# KiCad board CPU.kicad_pcb (continued)
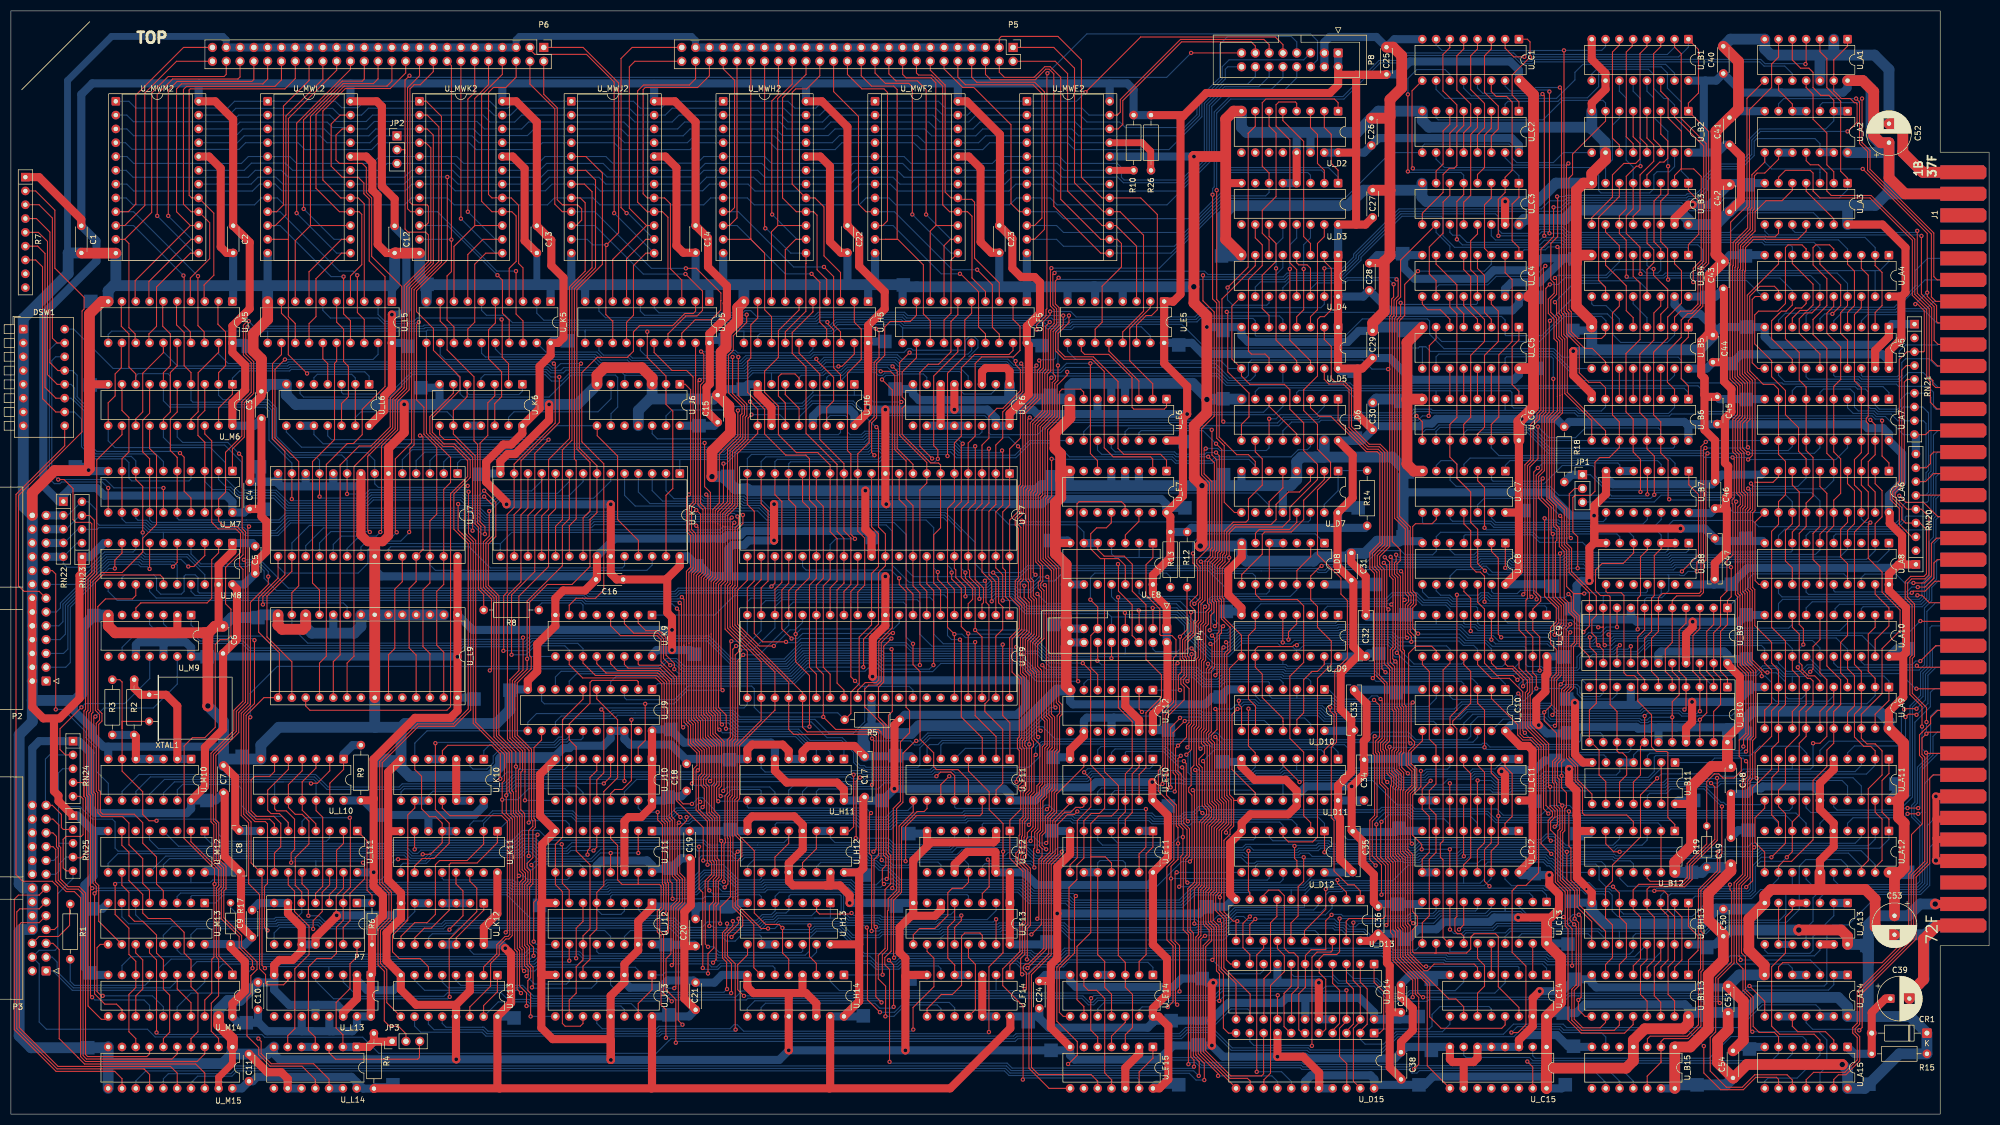
[diagram p0: board, top side]
## Routing (per net, layer and track width the routed paths; a pad name or vN(x,y) marks a point on that pad's centre or on a via; arc(x,y) is an arc through that point) (continued)
Net-(P4-Pin_4): length 33.4
  Top w0.2: v1(215.12,78.02) 214.82,78.32 214.82,80.78 215.42,81.37 215.42,83.44 215.13,83.73 215.13,87.81 v1(215.11,87.84) 216.41,89.14 216.41,96.57
  Bottom w0.2: v1(215.12,78.02) 215.12,78.02 U_E12.1 ; v1(215.11,87.84) 215.11,85.57 214.63,85.09 210.62,85.09 210.14,85.57 P4.4
Net-(P4-Pin_11): length 39.6
  Top w0.2: v1(198.63,94.66) 199.98,93.31 P4.11 198.71,88.06 198.71,82.15 199.98,80.87 U_E12.5
  Bottom w0.2: R13.2 213.34,98.88 212.67,99.55 199.45,99.55 198.63,98.73 v1(198.63,94.66)
Net-(R2-Pad1): length 13.7
  Top w1.5: R2.1 23.01,69.45 U_M10.5
  Bottom w1.5: U_M10.3 U_M10.4 U_M10.5 ; R3.2 R2.1
Net-(R2-Pad2): length 23.1
  Top w1.5: R2.2 22.69,78.41 23.93,77.16 XTAL1.2 28.55,77.16 30.62,75.09 U_M10.2
  Bottom w1.5: U_M10.1 U_M10.2
Net-(R8-Pad2): length 98.3
  Top w0.2: U_L6.2 U_L6.13 ; R8.2 87,95.6 86.02,96.58 86.02,107.99 85.42,108.59 85.42,121.14 81.42,125.14 81.42,129.47 83.95,132.01 U_K6.5
  Bottom w0.2: 81.42,126.67 81.42,128.08 80.27,129.23 64.43,129.23 63.38,128.18 U_L6.13 ; U_L6.2 63.38,135.47 62.72,136.13 56.38,136.13 55.76,135.51 55.76,134.28 ; U_K6.1 94.11,133.03 93.48,132.39 84.32,132.39 83.95,132.76 U_K6.5
Net-(U_A1A-~{S}): length 195.8
  Top w0.2: v1(330.2,193.21) 330.33,193.34 U_A1.4 ; v1(221.12,169.18) 221.12,150.01 221.87,149.25 221.87,124.38 222.96,123.3 222.96,123.29 223.26,122.99 223.26,112.58 225.14,110.7 U_D7.9
  Bottom w0.2: v1(221.12,169.18) 221.12,170.31 221.42,170.61 221.42,184.38 224.27,187.23 245.09,187.23 251.74,193.88 255.4,193.88 256.77,195.25 276.51,195.25 278.03,193.73 279.84,193.73 280.18,194.07 321.99,194.07 322.77,193.29 330.12,193.29 v1(330.2,193.21)
Net-(U_A1B-C): length 21
  Top w0.2: 335.42,171.3 335.42,173.4 334.14,174.68 334.14,180.52 331.6,183.06 331.6,187.63 330.33,188.9 U_A1.11
Net-(U_A1B-Q): length 9
  Top w0.2: 325.25,189.91 325.25,188.39 327.8,185.85 327.8,184.55
  Bottom w1.5: 327.8,184.55 U_A2.4
Net-(U_A1B-~{S}): length 312.7
  Top w0.2: U_D7.7 228.97,120.08 227.71,121.34 225.56,121.34 223.41,123.48 223.41,123.48 222.33,124.57 222.33,149.44 221.87,149.89 v1(221.87,170) ; v1(190.5,49.88) 190.8,50.18 190.8,54.55 191.96,55.71 191.96,59.09 192.51,59.63 192.51,66.42 192.96,66.87 192.96,73.12 193.42,73.58 193.42,75.3 192.81,75.91 192.81,100.58 190.84,102.55 190.84,113.05 191.5,113.71 v1(191.5,120.57)
  Bottom w0.2: U_D7.7 228.97,119.32 227.8,120.49 221.79,120.49 221.06,119.76 214.28,119.76 213.55,120.49 191.59,120.49 v1(191.5,120.57) ; v1(221.87,170) 221.87,184.19 224.45,186.78 245.28,186.78 251.93,193.42 255.58,193.42 256.96,194.8 276.32,194.8 277.84,193.28 280.03,193.28 280.37,193.62 321.8,193.62 322.58,192.84 326.39,192.84 327.79,191.44 U_A1.10 ; v1(190.5,49.88) 189.34,49.88 188.2,51.02 187.32,51.02 186.72,50.43 176.43,50.43 176.2,50.65 U_F12.4
Net-(U_A2-Pad12): length 173.2
  Top w0.2: v1(266.07,95.56) 266.07,74.35 264.8,73.08 U_C10.10 ; v1(278.28,95.64) 278.58,95.94 278.58,119.48 279.63,120.53 279.63,126.9 280.81,128.08 280.81,128.83 281.52,129.55 281.52,159.14 283.86,161.47 v1(283.86,166.87)
  Bottom w0.2: v1(266.07,95.56) 266.14,95.48 270,95.48 270.46,95.94 271.84,95.94 272.44,95.34 277.98,95.34 v1(278.28,95.64) ; 332.88,177 332.88,178.58 331.96,179.5 321.25,179.5 320.77,179.02 320.77,176.38 318.3,173.91 314.31,173.91 312.2,171.8 312.2,170.06 310.58,168.43 308.82,168.43 308.53,168.15 286.5,168.15 285.22,166.87 v1(283.86,166.87)
  Bottom w1.5: 335.42,177 332.88,177
Net-(U_A3-Pad13): length 9.7
  Top w0.2: 335.42,163.68 335.42,164.74 330.33,169.82 U_A3.4
Net-(U_A10-I2a): length 91
  Top w0.2: U_C8.12 269.9,94.19 271.15,92.94 271.15,82.98 273.43,80.7 276.41,80.7 v1(277.21,79.9) ; v1(331.09,81.4) 331.6,81.9 331.6,86.03 332.87,87.3 332.87,91.61
  Bottom w0.2: v1(331.09,81.4) 330.25,80.55 327.79,80.55 ; 327.79,80.55 327.79,80.54 U_A9.8 ; 327.79,80.55 326.17,80.55 324.7,82.02 322.51,82.02 321.24,80.75 282.15,80.75 281.81,80.4 277.71,80.4 v1(277.21,79.9)
Net-(U_A13-Pad1): length 22.7
  Bottom w0.2: 322.71,30.65 322.71,30.15 323.28,29.58 331.03,29.58 331.6,30.15 331.6,32.69 335.42,36.5 335.42,38.85
  Bottom w1.5: U_A13.1 335.42,38.85
Net-(U_A13-Pad4): length 53
  Top w0.2: 327.8,38.85 327.8,37.52 326.52,36.25 326.52,29.64 323.98,27.1 323.98,16.18 325.45,14.71 331.8,14.71 332.88,13.63 U_A15.3
  Top w1.27: 327.8,38.85 U_A13.4
  Bottom w0.2: U_A15.8 322.71,6.01 322.71,6.02 323.32,6.63 328.66,6.63 332.88,10.84 U_A15.3
Net-(U_A13-Pad10): length 10.2
  Top w0.2: U_A13.6 U_A13.9
  Bottom w1.27: 327.8,31.23 U_A13.9
Net-(U_A14-Pad10): length 14.3
  Top w0.2: 327.8,17.99 327.8,16.19 327.79,16.18 328.81,15.16 333.89,15.16 335.42,13.63 335.42,12.36
  Bottom w1.5: U_A14.9 327.8,17.99
Net-(U_A15-Pad9): length 133.5
  Top w0.2: v1(311.51,12.53) 311.51,7.57 314.58,4.5 318.77,4.5 321.06,6.78 324.87,6.78 325.25,6.4 U_A15.9 ; v1(276.1,15.01) 277.31,15.01 278.77,16.47 278.77,27.23 276.23,29.77 276.23,41.07 277.24,42.09 278.77,42.09 281.1,44.42 281.1,67.41 279.66,68.85 278.19,68.85 277.25,69.78 277.25,71.65 272.42,76.48 U_C10.2
  Bottom w0.2: v1(276.1,15.01) 277.2,16.11 285.11,16.11 285.75,15.46 308.57,15.46 v1(311.51,12.53)
Net-(U_A15-Pad10): length 77.3
  Top w0.2: 327.8,4.74 327.8,6.27 326.83,7.24 320.87,7.24 318.58,4.95 315.66,4.95 312.68,7.93 312.68,14.12 313.68,15.12 313.68,25.06 316.62,28 316.62,40.97 316.31,41.27 v1(316.31,42.23)
  Bottom w0.2: 296.04,44.44 296.04,43.36 297.47,41.93 316.01,41.93 v1(316.31,42.23)
Net-(U_A15-Pad12): length 89.4
  Top w0.2: v1(319.27,64.95) 319.57,64.65 319.57,62.09 319.1,61.62 319.1,43.95 317.52,42.37 317.52,41.35 317.53,41.34 317.53,27.92 318.7,26.75 318.7,22.78 320.13,21.36 320.13,15.46 v1(320.43,15.16)
  Bottom w0.2: v1(320.43,15.16) 332.62,15.16 334.14,13.64 334.14,8.81 332.88,7.55 U_A15.12 ; v1(319.27,64.95) 318.71,65.51 313.49,65.51 312.68,64.69 U_B11.1
Net-(U_B1-CP): length 186.5
  Top w0.2: U_C1.2 274.94,196.13 276.53,194.54 v1(278.48,194.54) ; U_B1.2 306.12,196.35 307.34,195.12 307.34,183.19 311.93,178.6 311.93,156.72 310.87,155.66 310.87,148.86 309.31,147.3 308.54,147.3 307.34,146.1 307.34,142.93 304.8,140.39 304.8,134.67 306.12,133.35 U_B6.2
  Bottom w0.2: U_B6.2 306.12,130.04 305,128.93 288.46,128.93 287.91,129.47 261.59,129.47 261.35,129.71 258.16,129.71 257.49,129.05 248.7,129.05 247.4,130.35 247.4,131.62 245.84,133.18 237.02,133.18 236.59,132.75 U_D6.4 ; U_B1.2 306.12,196.31 304.79,194.98 280.1,194.98 279.84,195.24 279.22,195.24 278.52,194.54 v1(278.48,194.54) ; U_C6.2 274.94,129.48
Net-(U_B1-P0): length 22
  Top w0.2: U_B1.3 303.58,196.44 302.26,195.12 302.26,179.38 303.58,178.06 303.58,176.93
Net-(U_B1-P1): length 21.9
  Top w0.2: U_B1.4 301.04,196.44 299.77,195.17 299.77,179.58 301.04,178.31 301.04,176.93
Net-(U_B1-P2): length 21.7
  Top w0.2: 298.33,197.62 298.33,196.52 297.23,195.42 297.23,179.84 298.5,178.57 298.5,176.93
Net-(U_B1-P3): length 21.9
  Top w0.2: U_B1.6 295.96,196.69 294.69,195.42 294.69,179.58 295.96,178.31 295.96,176.93
Net-(U_B1-~{CEP}): length 175.4
  Top w0.2: v1(285.77,195.73) 285.77,147.66 286.21,147.23 286.21,143.61 288.58,141.24 288.58,136.4 290.32,134.67 292.41,134.67 293.42,133.66 U_B6.7
  Bottom w0.2: U_C6.7 262.24,133.02 ; U_B6.7 293.42,130.15 292.65,129.38 288.65,129.38 288.1,129.93 276.53,129.93 276.2,130.26 276.2,132.8 275.89,133.1 246.56,133.1 246.03,133.64 229.65,133.64 228.97,132.95 U_D6.7 ; U_B1.7 293.42,196.44 292.71,195.73 v1(285.77,195.73) 285.75,195.71 263.32,195.71 262.24,196.79 U_C1.7
Net-(U_B1-~{TC}): length 51.6
  Bottom w0.2: U_B1.15 306.12,191.52 304.48,193.16 289.25,193.16 287.79,191.69 287.79,190.3 284.39,186.9 263.87,186.9 262.24,188.54 U_C1.10
Net-(U_B2-CP): length 206.5
  Top w0.2: U_B2.2 306.12,183.49 311.48,178.13 311.48,156.91 310.42,155.85 310.42,149.05 309.12,147.75 307.22,147.75 306.12,146.66 U_B5.2 ; U_D6.9 226.43,126.91 227.81,128.3 227.81,132.67 223.9,136.58 223.9,147.43 v1(223.72,147.62)
  Bottom w0.2: v1(223.72,147.62) 223.81,147.53 250.79,147.53 251.55,146.78 274.28,146.78 274.94,146.12 U_C5.2 274.94,143.4 275.09,143.25 281.7,143.25 285.7,147.24 293.75,147.24 294.77,146.23 294.77,143.43 296.21,141.99 304.76,141.99 306.12,143.35 U_B5.2 ; U_B2.2 306.12,185.68 304.93,186.87 304.17,186.87 302.31,188.73 302.31,191.27 301.32,192.26 292.79,192.26 292.15,191.61 292.15,189.07 290.07,187 285.31,187 284.68,186.36 275.46,186.36 274.94,185.83 U_C2.2
Net-(U_B2-P0): length 15.8
  Top w0.2: U_B3.4 301.04,172.82 303.41,175.18 304.17,175.18 304.88,175.9 304.88,179.04 303.58,180.34 U_B2.3
Net-(U_B2-P1): length 22.9
  Top w0.2: 299.77,166.42 299.77,172.82 302.29,175.34 302.29,178.33 301.04,179.58 U_B2.4 ; 299.72,166.42 298.5,165.2 U_B3.12
Net-(U_B2-P2): length 26.3
  Top w0.2: U_B2.5 298.5,179.84 299.75,178.59 299.75,175.72 298.96,174.93 296.8,174.93 294.69,172.82 294.69,168.71 ; 294.64,168.71 290.88,164.94 U_B3.9
Net-(U_B2-P3): length 14.3
  Bottom w0.2: U_B3.7 293.42,174.34 294.69,175.61 294.69,181.96 295.96,183.23 U_B2.6
Net-(U_B2-~{CEP}): length 171.1
  Top w0.2: U_B2.7 293.42,182.72 287.35,176.66 287.35,172.89 286.68,172.21 286.68,148.04 287.12,147.6 287.12,143.99 288.38,142.72 292.69,142.72 293.42,143.46 U_B5.7 ; v1(260.87,128.48) 260.99,128.6 260.99,141.4 262.24,142.65 U_C5.7
  Bottom w0.2: U_D6.12 234.05,125.74 235.65,127.34 240.72,127.34 241.07,127.69 258.93,127.69 259.73,128.48 v1(260.87,128.48) ; U_B2.7 293.42,186.06 292.94,186.54 285.5,186.54 281.91,182.95 262.62,182.95 262.24,183.33 U_C2.7 ; U_C5.7 262.24,143.2 263.27,142.16 281.26,142.16 285.88,146.79 292.68,146.79 293.5,145.97 293.5,144.89
Net-(U_B2-~{TC}): length 55.4
  Bottom w0.2: 262.24,176.93 262.24,175.71 263.77,174.18 290.7,174.18 292.15,172.72 292.15,169.93 292.57,169.51 301.54,169.51 302.31,170.28 302.31,172.82 302.9,173.41 305.18,173.41 306.12,174.34 306.12,176.93
Net-(U_B4-Za): length 15.7
  Top w0.2: U_B5.3 303.58,147.16 304.86,148.44 304.86,151.76 302.26,154.36 v1(302.26,155.51)
  Bottom w0.2: U_B4.4 301.04,156.21 301.74,155.51 v1(302.26,155.51)
Net-(U_B4-Zb): length 15.3
  Top w0.2: U_B5.5 298.5,146.56 297.23,147.83 297.23,152.4 293.42,156.21 U_B4.7
Net-(U_B4-Zc): length 9.1
  Bottom w0.2: U_B4.9 290.88,149.1 291.21,148.77 293.5,148.77 295.96,146.31 U_B5.6
Net-(U_B4-Zd): length 6.7
  Bottom w0.2: U_B4.12 298.5,149.1 301.04,146.56 U_B5.4
Net-(U_B5-Q0): length 5.6
  Top w0.2: U_B6.3 U_B5.14
Net-(U_B5-Q1): length 5.6
  Top w0.2: U_B6.4 U_B5.13
Net-(U_B5-Q2): length 5.6
  Top w0.2: U_B6.5 U_B5.12
Net-(U_B5-Q3): length 5.6
  Top w0.2: U_B6.6 U_B5.11
Net-(U_B5-~{CET}): length 55
  Top w0.2: v1(286.58,174.93) 286.23,174.58 286.23,147.85 286.66,147.41 286.66,143.8 289.57,140.89 290.96,140.89 293.42,138.43 U_B5.10
  Bottom w0.2: 274.94,176.93 274.94,175.97 276.27,174.63 286.28,174.63 v1(286.58,174.93)
Net-(U_B5-~{TC}): length 49.9
  Bottom w0.2: U_C5.10 262.24,139.35 262.74,139.85 283.62,139.85 288.47,135 305.18,135 306.12,135.93 U_B5.15
Net-(U_B6-~{CET}): length 80.2
  Top w0.2: v1(285.02,188.9) 285.32,188.6 285.32,147.48 285.75,147.04 285.75,143.43 286.37,142.81 286.37,132.78 293.42,125.73 U_B6.10
  Bottom w0.2: U_C1.15 274.94,189.17 275.85,188.26 279.91,188.26 280.55,188.9 v1(285.02,188.9)
Net-(U_B6-~{TC}): length 48.7
  Bottom w0.2: U_C6.10 262.24,125.63 262.96,126.36 279.4,126.36 283.23,122.53 305.87,122.53 306.12,122.78 U_B6.15
Net-(U_B7-Pad1): length 65.9
  Top w0.2: U_B7.1 308.75,115.79 310.52,114.02 310.52,102.91 v1(307.47,99.86)
  Bottom w0.2: v1(307.47,99.86) 307.3,99.69 272.6,99.69 271.47,100.82 270.95,100.82 270.33,100.2 266.01,100.2 264.82,99 U_C8.10
Net-(U_B7-Pad2): length 42.4
  Bottom w0.2: U_B7.2 306.2,119.76 305.25,120.71 268.49,120.71 267.36,119.58 U_C7.4
Net-(U_B7-Pad3): length 31.6
  Bottom w0.2: U_C7.1 274.98,119.37 275.86,120.26 302.96,120.26 303.67,119.55 U_B7.3
Net-(U_B7-Pad5): length 67.7
  Top w0.2: v1(280.74,94.73) 280.74,95.3 280.21,95.83 280.21,118.14 v1(280.96,118.9)
  Bottom w0.2: U_C8.8 259.74,96.12 260.83,95.02 264.59,95.02 265.27,94.35 270.15,94.35 270.84,95.03 271.46,95.03 272.06,94.43 280.44,94.43 v1(280.74,94.73) ; v1(280.96,118.9) 281.87,119.8 295.69,119.8 296.05,119.45 U_B7.6
  Bottom w1.5: U_B7.5 U_B7.6
Net-(U_B7-Pad11): length 31.8
  Bottom w0.2: U_B7.11 301.12,109.4 300.29,108.57 284.89,108.57 284.59,108.87 273.25,108.87 272.44,109.68 U_C7.13
Net-(U_B7-Pad12): length 42.4
  Bottom w0.2: U_B7.12 303.67,109.4 302.38,108.12 284.7,108.12 284.4,108.42 273.06,108.42 272.39,109.09 265.26,109.09 264.82,109.53 U_C7.10
Net-(U_B11-Pad8): length 58.2
  Top w0.2: v1(286.59,95.68) 287.1,95.18 287.1,92.55 288.13,91.52 288.13,86.63 287.53,86.03 287.53,78.39 286.69,77.54 286.69,65.73 288.29,64.13 288.29,61.52 290.92,58.89 290.92,57.11
  Bottom w0.2: v1(286.59,95.68) 285.98,95.07 281.51,95.07 280.19,96.39 277.77,96.39 277.17,95.79 272.82,95.79 272.44,96.17 U_C8.13
Net-(U_B12-Pad5): length 136.8
  Top w0.2: v1(219.25,55.4) 218.68,55.97 218.68,63.66 218.14,64.2 218.14,70.83 218.6,71.3 218.6,83.54 218.93,83.87 218.93,90.03 219.42,90.53 219.42,93.08 v1(219.72,93.38)
  Bottom w0.2: U_B12.5 296,50.68 295.25,49.93 295.23,49.93 294.78,49.48 286.12,49.48 284.07,51.52 282.49,51.52 281.48,50.52 245.96,50.52 243.97,52.5 243.97,53.9 242.77,55.1 219.28,55.1 219.25,55.13 v1(219.25,55.4) ; v1(219.72,93.38) 219.65,93.38 217.76,95.27 208.16,95.27 207.6,95.82 U_E8.13
Net-(U_B12-Pad13): length 119.8
  Top w0.2: U_B12.13 U_B12.2 ; v1(282.2,109.63) 282.2,95.29 284.36,93.14 284.36,90.6 283.3,89.55 283.3,86.58 284.36,85.52 284.36,81.11 283.5,80.26 283.5,75.3 v1(282.14,73.94) 282.14,72.36 284.41,70.09 284.41,65.64 283.67,64.9 283.67,61.04 283.97,60.74 283.97,56.58 284.56,55.99 284.56,53.38 v1(284.06,52.89)
  Bottom w0.2: U_B7.8 293.5,109.53 293,109.03 285.08,109.03 284.78,109.33 282.5,109.33 v1(282.2,109.63) ; U_C10.11 267.34,71.94 268.99,73.58 281.78,73.58 v1(282.14,73.94) ; v1(284.06,52.89) 284.49,52.89 285.19,53.59 303.08,53.59 303.62,53.05 U_B12.2
Net-(U_B15A-D): length 77.6
  Top w0.2: v1(314.83,56.61) 314.83,47.96 314.45,47.58 314.45,44.62 310.97,41.14 310.97,33.63 311.35,33.25 311.35,26.56 310.97,26.18 310.97,16.25 308.62,13.89 304.17,13.89 303.62,13.35 U_B15.2 303.62,9.62 303.66,9.58 301.08,7 U_B15.12
  Bottom w0.2: v1(314.83,56.61) 314.78,56.61 311.54,59.85 305.44,59.85 304.62,59.03 301.56,59.03 301.12,58.6 U_B11.12
Net-(U_B15B-Q): length 156.2
  Top w0.2: v1(216.66,9.18) 216.66,32.97 215.72,33.91 215.72,47.01 216.41,47.69 216.41,52.33 215.35,53.39 215.35,62.58 214.75,63.18 214.75,65.43 v1(215.26,65.94)
  Bottom w0.2: U_E10.5 199.98,67.06 200.57,67.65 212.45,67.65 214.17,65.94 v1(215.26,65.94) ; v1(216.66,9.18) 216.97,9.48 218,9.48 218.94,8.54 237.24,8.54 237.55,8.24 257.12,8.24 257.81,7.54 257.87,7.54 257.88,7.55 258.71,7.55 259.17,8.01 291.25,8.01 293.46,5.81 U_B15.9
Net-(U_C1-P0): length 23
  Top w0.2: 272.4,176.93 272.4,179.99 273.69,181.28 273.69,185.47 271.15,188.01 271.15,194.74 272.42,196.01 272.4,196.03 U_C1.3
Net-(U_C1-P1): length 23
  Top w0.2: 269.86,176.93 269.86,180.18 271.15,181.47 271.15,185.98 268.61,188.52 268.61,194.74 269.86,195.99 U_C1.4
Net-(U_C1-P2): length 23
  Top w0.2: U_C1.5 267.32,196.03 267.34,196.01 266.07,194.74 266.07,188.39 268.61,185.85 268.61,181.85 267.32,180.56 267.32,176.93
Net-(U_C1-P3): length 23
  Top w0.2: U_C1.6 264.78,196.25 263.5,194.97 263.5,188.26 266.07,185.7 266.07,181.79 264.78,180.5 264.78,176.93
Net-(U_C2-P0): length 14.3
  Top w0.2: U_C3.4 269.86,172.88 271.15,174.17 271.15,180.14 272.4,181.39 U_C2.3
Net-(U_C2-P1): length 21.9
  Top w0.2: U_C3.12 267.32,167.8 268.61,169.09 268.61,180.26 269.86,181.51 U_C2.4
Net-(U_C2-P2): length 24.5
  Top w0.2: U_C2.5 267.32,181.9 266.07,180.65 266.07,174.55 265.56,174.04 264.67,174.04 263.53,172.9 263.53,169.6 259.72,165.79 259.72,165.53 259.7,165.51 U_C3.9
Net-(U_C2-P3): length 14.3
  Top w0.2: U_C2.6 264.78,182.15 263.53,180.9 263.53,174.8 262.24,173.51 U_C3.7
Net-(U_C4-Za): length 14.3
  Top w0.2: U_C4.4 269.86,155.61 271.15,154.32 271.15,147.5 272.4,146.25 U_C5.3
Net-(U_C4-Zb): length 15.4
  Top w0.2: U_C5.5 267.32,147.22 267.34,147.24 266.07,148.51 266.07,152.58 262.24,156.41 U_C4.7
Net-(U_C4-Zc): length 9.1
  Top w0.2: U_C4.9 259.7,149.3 259.72,149.28 259.72,149.02 260.73,148.01 263.02,148.01 264.78,146.25 U_C5.6
Net-(U_C4-Zd): length 6.7
  Top w0.2: U_C5.4 269.86,146.25 267.32,148.79 U_C4.12
Net-(U_C5-Q0): length 5.6
  Top w0.2: U_C6.3 U_C5.14
Net-(U_C5-Q1): length 5.6
  Top w0.2: U_C6.4 U_C5.13
Net-(U_C5-Q2): length 5.6
  Top w0.2: U_C6.5 U_C5.12
Net-(U_C5-Q3): length 5.6
  Top w0.2: U_C6.6 U_C5.11
Net-(U_C5-~{TC}): length 94.3
  Top w0.2: v1(283.8,135.3) 283.8,129.26 282.62,128.08 282.62,113.12 283.87,111.87 283.87,108.24 284.47,107.64 284.47,105.61 284.2,105.35 284.2,95.22 285.72,93.71 285.72,90.04 285.26,89.58 285.26,80.74 284.41,79.88 284.41,71.76 v1(284.11,71.46)
  Bottom w0.2: U_C10.13 274.57,72.68 282.03,72.68 283.16,71.55 284.02,71.55 v1(284.11,71.46) ; U_C5.15 274.94,139.1 275.19,139.35 283.48,139.35 283.8,139.03 v1(283.8,135.3)
Net-(U_C10-Pad6): length 44.9
  Top w0.2: 226.44,70.55 226.44,74.86 225.95,75.36 v1(225.95,76.06)
  Bottom w0.2: v1(225.95,76.06) 226.15,76.27 228.97,76.27 229.63,75.61 243.04,75.61 243.65,75 260.78,75 262.26,76.48 U_C10.6
Net-(U_C10-Pad8): length 50.6
  Top w0.2: U_C10.8 259.72,68.71 257.64,66.62 257.64,64.54 258.69,63.48 258.69,60.12 257.49,58.91 257.49,50.06 v1(257.79,49.76)
  Bottom w0.2: v1(257.79,49.76) 257.71,49.69 243.17,49.69 242.56,50.3 232.2,50.3 231.55,50.95 U_D12.5
Net-(U_C13-Q1): length 59.5
  Top w0.2: 248.35,4.74 247.02,6.07 247.02,15.8 248.29,17.07 248.29,23.29 246.99,24.59 246.99,35.21 v1(247.02,35.24)
  Bottom w0.2: 272.4,38.85 272.4,38.01 271.33,36.94 262.96,36.94 262.03,36 257.85,36 257.38,35.53 256.29,35.53 256.28,35.54 247.32,35.54 v1(247.02,35.24)
Net-(U_C13-Q2): length 52.1
  Top w0.2: 241.15,14.84 241.94,15.63 241.94,24.82 240.73,26.03 240.73,28.53 241.56,29.37 243.95,29.37 244.48,29.9 v1(244.48,35.99)
  Bottom w0.2: 269.86,38.85 269.86,37.75 269.5,37.39 262.77,37.39 261.84,36.45 257.66,36.45 257.19,35.98 256.48,35.98 256.47,35.99 v1(244.48,35.99)
Net-(U_C13-Q3): length 47.3
  Top w0.2: 237.65,14.84 236.97,15.52 236.97,22.14 238.19,23.35 238.19,29.19 239.27,30.28 241.91,30.28 241.94,30.3 241.94,35.6 v1(243,36.66)
  Bottom w0.2: v1(243,36.66) 243.09,36.75 244.79,36.75 245.09,36.45 257.01,36.45 257.47,36.91 261.65,36.91 262.24,37.5 262.24,38.85
Net-(U_C13-Q4): length 116.5
  Top w0.2: 262,29.64 258.19,29.64 257.94,29.9 257.94,33.96 258.8,34.81 258.8,36.41 257.94,37.26 257.94,47.8 257.03,48.7 257.03,59.1 258.24,60.31 258.24,63.29 257.19,64.35 257.19,66.81 258.27,67.9 258.27,68.52 257.64,69.16 257.64,75.45 v1(257.94,75.75) ; 262,29.64 267.85,29.64 268.61,30.4 268.61,32.56 269.24,33.2 273.18,33.2 273.69,32.69 273.69,23.42 277.48,19.62 U_C14.14 ; 262,29.64 262.23,29.64 262.24,29.66 262.24,31.23
  Bottom w0.2: v1(257.94,75.75) 257.64,75.45 243.84,75.45 243.23,76.06 229.94,76.06 229.01,76.99 U_D10.6
Net-(U_C13-Q5): length 14.3
  Top w0.2: U_C14.11 269.86,22.26 271.15,23.55 271.15,27.36 269.86,28.64 269.86,31.23
Net-(U_C13-Q6): length 5.6
  Top w0.2: 272.4,25.6 272.4,31.23
Net-(U_C13-Q7): length 5.6
  Top w0.2: 280.02,31.23 280.02,25.6
Net-(U_C14-Za): length 50.9
  Top w0.2: 243.27,15.48 244.48,16.69 244.48,22.78 243.21,24.05 U_D14.4
  Bottom w0.2: U_C14.4 274.94,24.17 273.05,22.27 257.55,22.27 257,21.71 253.95,21.71 251.16,24.51 244.4,24.51 243.21,25.71 U_D14.4
Net-(U_C14-Zb): length 40.1
  Top w0.2: 245.81,15.35 247.02,16.56 247.02,23.04 245.75,24.31 U_D14.3
  Bottom w0.2: U_D14.3 245.75,26.21 247,24.96 251.35,24.96 254.13,22.18 256.82,22.18 257.36,22.72 265.75,22.72 267.32,24.29 U_C14.7
Net-(U_C14-Zc): length 34.3
  Top w0.2: U_D14.2 248.29,24.31 249.56,23.04 249.56,16.56 248.29,15.29
  Bottom w0.2: U_C14.9 264.78,16.55 263.4,15.16 254.88,15.16 252.59,12.88 249.18,12.88 248.29,13.77 U_D15.2
Net-(U_C14-Zd): length 41.2
  Top w0.2: U_D15.1 251.84,14.91 252.61,15.67 252.61,22.53 250.83,24.31 U_D14.1
  Bottom w0.2: U_D15.1 251.59,15.67 260.99,15.67 261.5,16.18 261.5,18.34 262.95,19.8 271.98,19.8 272.4,19.37 272.4,17.99
Net-(U_C15-CP): length 55.3
  Bottom w0.2: 280.02,12.36 280.02,10.73 280.47,10.28 312.5,10.28 316.49,14.28 329.69,14.28 330.33,13.63 U_A15.4
Net-(U_C15-~{PE}): length 219.8
  Top w0.2: v1(253.68,67.58) 253.68,67.16 253.65,67.12 253.65,62.87 254.46,62.06 254.46,60.38 254.31,60.23 254.31,47.58 255.22,46.67 255.22,34.32 255.67,33.87 255.67,28.84 260.61,23.9 260.61,8.92 U_C15.9 ; v1(221.63,80.76) 221.93,81.06 221.93,88.37 222.29,88.74 222.29,94.44 221.99,94.75 221.99,100.86 222.96,101.83 222.96,102.89 223.26,103.19 223.26,107.27 224.92,108.93 227.25,108.93 227.71,109.4 227.71,113.21 230.25,115.75 230.25,120.57 228.97,121.86 U_D6.10 ; v1(271.15,67.49) 271.15,74.35 269.88,75.62 269.88,75.62 U_C10.3
  Bottom w0.2: v1(253.68,67.58) 253.81,67.46 271.18,67.46 v1(271.15,67.49) 271.54,67.1 280.97,67.1 280.98,67.11 287.02,67.11 288.04,66.09 293.12,66.09 293.5,65.71 U_B11.6 ; v1(221.63,80.76) 222.23,81.37 234.05,81.37 234.36,81.06 250.84,81.06 251.8,80.1 268.95,80.1 269.88,79.17 269.88,78.15
Net-(U_C15-~{TC}): length 56.2
  Top w0.2: v1(279.02,9.68) 280.02,8.67 280.02,4.74
  Bottom w0.2: v1(279.02,9.68) 279.32,9.38 326.07,9.38 327.8,11.1 327.8,12.36
Net-(U_D6-I1a): length 190.9
  Top w0.2: U_D6.3 239.13,129.99 240.72,128.39 242.89,128.39 249.39,121.89 251.39,121.89 251.89,121.39 251.89,105.2 250.05,103.36 250.05,100.36 250.9,99.51 250.9,80.52 v1(250.6,80.23) ; v1(189.79,82.6) 190.09,82.3 190.09,73.08 190.69,72.48 190.69,67.81 190.24,67.36 190.24,60.57 189.69,60.03 189.69,58.74 188.98,58.03 188.98,52.47 188.38,51.87 188.38,48.98 188.2,48.8 188.2,45.5 v1(188.32,45.38)
  Bottom w0.2: v1(188.32,45.38) 188.28,45.38 187.56,46.1 184.44,46.1 184.44,46.1 184.06,46.1 184.05,46.09 179.24,46.09 178.74,45.59 U_F12.12 ; v1(189.79,82.6) 190.63,81.77 218.08,81.77 219.84,80 221.94,80 222.85,80.91 233.86,80.91 234.17,80.6 250.23,80.6 v1(250.6,80.23) 251.19,79.64 266.87,79.64 267.34,79.17 U_C10.4
Net-(U_D7A-M): length 13.9
  Bottom w0.2: U_D7.1 244.21,114.72 241.67,112.18 U_D7.15 ; 244.32,118.42 R14.1
Net-(U_D7A-~{S1}): length 30
  Top w0.2: U_D8.8 226.47,99.26 230.25,103.05 230.25,106.66 230.71,107.12 235.59,107.12 237.87,109.4 237.87,112.95 241.67,116.75 U_D7.2
Net-(U_D7A-~{S2}): length 87.7
  Top w0.2: v1(223.57,51.81) 223.57,52.23 224.54,53.2 224.54,57.83 223.74,58.63 223.74,84.6 224.34,85.2 224.34,89.55 222.75,91.15 222.75,94.63 222.44,94.94 222.44,100.67 223.41,101.64 223.41,102.7 223.71,103 223.71,107.08 225.11,108.48 231.88,108.48 232.79,109.4 232.79,112.19 235.08,114.48 237.11,114.48 239.13,116.5 U_D7.3
  Bottom w0.2: U_D12.6 229.01,50.88 228.62,50.48 224.9,50.48 v1(223.57,51.81)
Net-(U_D7B-~{S1}): length 12
  Top w0.2: U_D8.6 229.01,106.88 229.7,107.57 235.29,107.57 236.6,108.89 236.6,110.69
Net-(U_D10-Pad10): length 44.2
  Top w0.2: v1(215.99,72.32) 213.85,70.18 213.85,62.8 214.3,62.35 214.3,59.51 v1(214.15,59.36)
  Bottom w0.2: U_E10.11 202.52,58.93 203.13,59.54 212.8,59.54 212.98,59.36 v1(214.15,59.36) ; U_D10.10 231.55,71.53 230.65,72.43 216.1,72.43 v1(215.99,72.32)
Net-(U_D10-Pad13): length 54.8
  Top w0.2: v1(215.11,72.91) 215.11,72.84 213.39,71.12 v1(213.39,60.13)
  Bottom w0.2: U_D10.13 239.17,71.78 238.07,72.88 219.04,72.88 218.84,73.08 215.28,73.08 v1(215.11,72.91) ; U_E10.10 199.98,59.31 200.66,59.99 213.25,59.99 v1(213.39,60.13)
Net-(U_D12-Pad3): length 48.8
  Top w0.2: v1(216.56,53.89) 216.26,54.19 216.26,64.52 v1(215.84,64.95)
  Bottom w0.2: U_E10.4 202.52,66.55 203.16,67.2 212.27,67.2 214.51,64.95 v1(215.84,64.95) ; v1(216.56,53.89) 216.86,54.19 235.68,54.19 236.63,53.24 U_D12.3
Net-(U_D12-Pad11): length 54.3
  Top w0.2: v1(216.48,42.6) 216.18,42.9 216.18,46.82 216.86,47.51 216.86,52.52 215.81,53.58 215.81,63.51 v1(215.51,63.81)
  Bottom w0.2: v1(216.48,42.6) 216.48,42.6 233.51,42.6 234.09,43.18 U_D12.11 ; U_E10.3 205.06,66.55 205.24,66.73 212.09,66.73 215.01,63.81 v1(215.51,63.81)
Net-(U_D13-D0): length 27.2
  Top w0.2: v1(227.97,36.36) 226.7,35.09 226.7,30.66 227.97,29.39 U_D14.10
  Bottom w0.2: v1(227.97,36.36) 228.27,36.66 241.86,36.66 243.11,37.91 243.11,39.5
Net-(U_D13-D1): length 39.4
  Top w0.2: 225.43,18.04 225.43,24.05 222.74,26.73 222.74,35.23 v1(222.31,35.66)
  Bottom w0.2: 240.57,39.5 240.57,38.42 239.72,37.57 225.37,37.57 223.88,36.09 222.73,36.09 v1(222.31,35.66)
Net-(U_D13-D2): length 22.5
  Top w0.2: 230.57,17.99 230.57,24.94 231.78,26.15 231.78,35.22 232.95,36.39 232.95,39.5
Net-(U_D13-D3): length 29.7
  Top w0.2: 235.65,17.99 235.65,22.08 236.86,23.29 236.86,28.88 236.05,29.69 235.18,29.69 234.32,30.56 234.32,40.2 233.29,41.22 231.44,41.22 230.41,40.2 230.41,39.5
Net-(U_D13-D4): length 32.4
  Top w0.2: v1(229.24,7.79) 229.24,29.29 230.51,30.56 230.51,31.23
  Bottom w0.2: v1(229.24,7.79) 229.25,7.8 233.81,7.8 235.65,5.96 235.65,4.74
Net-(U_D13-D5): length 28.6
  Top w0.2: 233.05,31.23 233.05,30.45 234.32,29.18 234.32,26.22 231.78,23.68 231.78,7.54 230.57,6.33 230.57,4.74
Net-(U_D13-D6): length 54
  Top w0.2: v1(219.72,32.79) 219.54,32.79 218.94,32.19 218.94,11.29 225.49,4.74
  Bottom w0.2: 240.57,31.88 240.57,33.17 239.96,33.78 224.22,33.78 223.38,32.94 219.86,32.94 v1(219.72,32.79)
Net-(U_D13-D7): length 35.8
  Top w0.2: 243.16,31.83 243.16,30.1 242.88,29.82 240.34,29.82 239.4,28.88 v1(239.4,12.56)
  Bottom w0.2: v1(239.4,12.56) 239.19,12.35 238.89,12.64 228.71,12.64 227.97,13.39 U_D15.10
Net-(U_D14-A7): length 109.6
  Top w0.2: 235.65,14.72 234.26,16.1 234.26,22.22 235.59,23.55 U_D14.7 ; v1(257.94,21.51) 257.94,24.64 254.31,28.27 254.31,32.96 253.85,33.42 253.85,46.1 252.95,47.01 252.95,59.71 251.83,60.82 251.83,66.44 251.57,66.7 251.57,68.46 252.31,69.2 252.31,76.08 v1(252.01,76.38)
  Bottom w0.2: v1(252.01,76.38) 251.43,76.96 250.4,76.96 249.8,76.36 244.21,76.36 242.43,78.15 U_D10.1 ; v1(257.94,21.51) 257.69,21.26 253.76,21.26 250.97,24.05 244.22,24.05 242.95,25.32 236.1,25.32 235.59,25.83 U_D14.7
Net-(U_E7-O1): length 6.7
  Top w0.2: U_E7.14 207.56,109.05 205.06,106.55 U_E8.3
Net-(U_E10-Pad1): length 34.9
  Top w0.2: U_E11.8 194.9,45.85 196.22,47.17 196.22,54.03 198.71,56.52 198.71,61.67 v1(197.48,62.9)
  Bottom w0.2: U_E10.1 210.14,64.14 209.56,63.56 198.14,63.56 v1(197.48,62.9)
Net-(U_E11-Pad1): length 30.1
  Top w0.2: U_E11.1 210.14,49.15 208.88,47.89 208.88,29.35 207.6,28.07 U_E14.2
  Bottom w1.5: 210.19,52.12 207.65,52.12
Net-(U_E11-Pad10): length 39
  Top w0.2: U_E11.10 199.98,29.36 201.26,28.08 201.26,23.33 202.52,22.07 U_E14.11
  Bottom w0.2: U_E11.12 205.06,46.2 204.6,46.66 200.41,46.66 199.98,46.23 U_E11.10
  Bottom w1.5: 197.49,44.5 200.03,44.5
Net-(U_E14-Pad4): length 2.5
  Bottom w1.5: U_E14.4 U_E14.5
Net-(U_E14-Pad13): length 100
  Top w0.2: v1(212.85,19.71) 213.83,20.68 213.83,30.93 212.71,32.05 212.71,45.48 213.99,46.77 213.99,56.56 211.13,59.42 211.13,63.22 211.97,64.06 211.97,73.84 213.92,75.79 213.92,83.92 214.38,84.38 214.38,87.3 213.62,88.06 211.59,88.06 211.41,88.24 211.41,92.94 208.86,95.48 208.86,101.09 210.14,102.36 U_E8.1
  Bottom w0.2: v1(212.85,19.71) 212.83,19.74 208.16,19.74 207.6,19.18 U_E14.13
Net-(U_E15A-~{S}): length 6.7
  Top w0.2: U_E14.12 205.06,16.89 202.52,14.35 U_E15.4
Net-(U_E15B-C): length 23.9
  Top w0.2: U_E14.6 197.44,23.6 198.25,22.78 199.77,22.78 201.26,21.29 201.26,7.58 202.57,6.27 202.52,6.22 U_E15.11
Net-(U_F7-Q0): length 30
  Top w0.2: U_F7.21 135.51,101.27 135.51,101.26 135.51,98.22 133.69,96.4 133.69,90.17 137.72,86.14 v1(140.39,86.14)
  Bottom w0.2: v1(140.39,86.14) 143.35,89.1 144.3,89.1 145.67,90.47 U_F9.16
Net-(U_F7-RAM0): length 27.1
  Top w0.2: U_F7.9 163.45,113.09 164.72,111.81 164.72,96.95 165.99,95.69 U_F9.8
Net-(U_F13-D0): length 122.8
  Top w0.2: v1(179.76,46.84) 180,46.6 180,41.85 178.74,40.59 U_F13.3
  Bottom w0.2: v1(179.76,46.84) 180.02,46.59 184.21,46.59 184.25,46.55 184.25,46.55 187.75,46.55 188.17,46.13 193.56,46.13 194.66,47.23 226.38,47.23 227.46,46.15 228.85,46.15 229.21,46.51 256.12,46.51 256.34,46.28 259.23,46.28 259.55,46.61 267.57,46.61 268.25,47.29 282.32,47.29 283.03,46.58 283.46,46.58 285.56,44.47 U_B12.8
Net-(U_F13-D4): length 14.3
  Top w0.2: U_F13.13 176.2,28.84 177.47,27.57 177.47,19.25 U_F14.11
Net-(U_F13-D5): length 24.5
  Top w0.2: U_F13.14 178.74,32.9 178.31,33.32 175.52,33.32 174.92,32.73 174.92,23.71 173.23,22.02 171.2,22.02 168.58,19.4 U_F14.8
Net-(U_F13-Q0): length 128.8
  Top w0.2: v1(132.84,35.51) 132.84,34.66 131.39,33.21 131.39,28.91 132.59,27.72 132.59,22.33 v1(132.53,22.27)
  Bottom w0.2: v1(132.84,35.51) 133.14,35.21 137.39,35.21 138.45,36.27 140.11,36.27 140.85,37.01 142.62,37.01 143.17,37.55 U_H13.4 143.17,40.09 143.46,40.38 152.58,40.38 152.77,40.19 152.77,37.06 154.17,35.67 159.63,35.67 159.96,35.34 170.18,35.34 170.63,35.79 179.64,35.79 181.28,37.43 181.28,38.85 ; U_K13.5 79.36,24.32 80.45,23.24 93.99,23.24 95.96,21.26 120.37,21.26 121.08,21.97 132.23,21.97 v1(132.53,22.27)
Net-(U_F13-Q1): length 130.7
  Top w0.2: U_H13.2 148.25,37.35 148.77,36.83 154.51,36.83 v1(154.68,37) ; U_F13.5 173.66,35.66 172.39,34.39 172.39,28.7 173.68,27.42 173.66,27.4 U_F14.5 ; v1(131.77,23) 131.7,23.07 131.7,27.96 130.94,28.73 130.94,33.4 131.77,34.23 v1(131.77,35.06)
  Bottom w0.2: U_H13.2 148.25,37.42 147.34,36.52 141.01,36.52 140.3,35.81 138.63,35.81 137.58,34.76 132.07,34.76 v1(131.77,35.06) ; 81.9,25.57 81.9,24.58 82.79,23.69 94.18,23.69 96.15,21.72 120.18,21.72 120.89,22.42 131.19,22.42 v1(131.77,23) ; U_F13.5 173.66,37.43 172.93,36.7 170.25,36.7 169.8,36.25 160.33,36.25 160.01,36.58 155.11,36.58 v1(154.68,37)
  Bottom w1.5: U_F14.4 U_F14.5
Net-(U_F13-Q3): length 107.4
  Top w0.2: v1(166.04,15.56) 166,15.6 166,19.62 169.84,23.46 169.84,28.68 168.58,29.94 U_F13.10
  Bottom w0.2: U_K13.12 79.36,16.7 80.08,15.98 86.78,15.98 86.8,16 87.05,16 87.79,15.26 118.97,15.26 119.43,15.71 132.32,15.71 133.04,16.43 133.67,16.43 134.84,15.26 165.74,15.26 v1(166.04,15.56)
Net-(U_F13-Q4): length 135.7
  Top w0.2: v1(133.35,15.56) 133.28,15.63 133.28,27.67 131.85,29.1 131.85,33.02 133.9,35.07 v1(133.9,35.97) ; U_F13.12 173.66,34.3 173.61,34.34 174.88,35.61 v1(174.88,36.55)
  Bottom w0.2: v1(133.9,35.97) 134.2,35.67 137.2,35.67 138.26,36.72 139.92,36.72 140.63,37.42 U_H13.5 140.63,40.09 141.37,40.83 152.77,40.83 153.23,40.37 153.23,37.25 154.35,36.12 159.82,36.12 160.14,35.79 169.99,35.79 170.44,36.25 174.58,36.25 v1(174.88,36.55) ; v1(133.35,15.56) 133.05,15.26 119.62,15.26 119.16,14.8 87.61,14.8 86.88,15.53 77.87,15.53 76.82,16.58 U_K13.11
Net-(U_F14-Pad12): length 10.2
  Top w1.5: U_F14.12 U_F14.3
  Bottom w1.5: 181.28,17.99 U_F14.12
Net-(U_H6-OEb): length 38.2
  Bottom w0.2: U_J6.12 118,125.2 118.95,124.25 131.7,124.25 132.46,125.02 152.25,125.02 152.65,125.42 U_H6.15
Net-(U_H12A-Y): length 82.7
  Top w0.2: U_E11.3 205.06,54.23 206.33,55.5 206.33,62.61 207.6,63.88 U_E10.2
  Bottom w0.2: U_E11.3 205.06,53.31 204.8,53.57 195.34,53.57 194.92,53.99 176.16,53.99 175.78,53.61 163.16,53.61 161.93,52.38 156.47,52.38 155.24,53.61 140.94,53.61 140.63,53.3 U_H12.6
Net-(U_H12B-Y): length 298.7
  Top w0.2: U_E8.5 199.98,103.86 201.17,102.67 204.85,102.67 206.34,101.18 206.34,96.23 208.85,93.71 208.85,83.68 211.71,80.82 211.71,76.7 208.85,73.85 208.85,63.74 207.6,62.49 U_E10.13 ; U_J6.1 124.08,134.29 125.08,133.3 125.08,114.3 v1(124.78,114) 124.34,113.56 124.34,107.21 125.08,106.47 125.08,100.66 124.3,99.88 124.3,86.47 124.3,86.47 124.3,72.32 125.08,71.54 125.08,68.27 126.69,66.66 126.69,63.55 v1(126.39,63.25) 126.08,62.94 126.08,55.96 128.15,53.89 128.15,45.93 v1(128.19,45.89) ; 79.4,65.3 79.4,66.88 80.39,67.87 88.48,67.87 90.05,66.3 v1(90.05,61.7)
  Bottom w0.2: v1(124.78,114) 125.08,113.7 127.18,113.7 127.63,113.25 134.73,113.25 135.09,112.89 138.21,112.89 138.3,112.8 138.3,112.8 139.97,111.14 181.01,111.14 183.71,108.44 196.11,108.44 197.44,107.11 U_E8.6 ; U_H12.10 138.09,43.39 137.8,43.1 133.89,43.1 131.09,45.9 128.2,45.9 v1(128.19,45.89) ; v1(90.05,61.7) 91.31,62.95 126.09,62.95 v1(126.39,63.25)
  Bottom w1.5: U_E8.5 U_E8.6 ; U_K10.5 79.4,65.3
Net-(U_H12B-~{S2}): length 76.6
  Top w0.2: U_E14.8 193.65,17.99 192.92,18.72 192.92,26.85 195.71,29.64 195.71,39.89 v1(195.96,40.14)
  Bottom w0.2: U_H12.14 148.25,45.55 149.03,46.33 156.91,46.33 157.51,45.73 158.91,45.73 159.78,44.86 161.33,44.86 163.54,42.65 186.04,42.65 188.09,40.6 195.49,40.6 v1(195.96,40.14)
Net-(U_H13-Pad10): length 68.8
  Bottom w0.2: U_K12.10 76.86,32.51 77.54,33.19 81.36,33.19 82.42,34.24 121.26,34.24 123.07,32.44 131.07,32.44 131.67,31.84 133.26,31.84 134.37,32.94 137.8,32.94 138.09,32.66 U_H13.9
  Bottom w1.5: U_H13.9 U_H13.10
Net-(U_J6-Pad6): length 24.5
  Bottom w0.2: 110.43,134.29 110.43,131.63 108.03,129.23 92.58,129.23 91.58,128.22 91.58,126.67
Net-(U_J6-Pad9): length 76.8
  Bottom w0.2: 110.43,126.67 110.43,128.88 111.65,130.1 111.65,135.55 111.22,135.98 103.08,135.98 99.03,131.94 83.26,131.94 82.65,132.55 82.65,135.45 81.97,136.13 73.94,136.13 71.25,133.44 71.25,133.4 69.79,131.94 53.86,131.94 53.22,132.58 U_L6.6
Net-(U_J7-C_{n+4}): length 27.1
  Top w0.2: U_J7.24 72.03,97.98 70.64,96.6 70.64,85.68 69.47,84.51 69.49,84.49 U_L9.23
Net-(U_J7-C_{n}): length 48.5
  Bottom w0.2: U_K7.24 112.92,100.93 112.5,100.51 88.22,100.51 84.33,104.4 69.9,104.4 69.49,103.99 U_J7.23
Net-(U_J10-I1): length 47.8
  Top w0.2: U_J10.3 112.89,61.31 v1(112.91,61.29)
  Bottom w0.2: U_K10.8 71.78,59.26 72.39,59.87 91.2,59.87 92.92,61.59 112.61,61.59 v1(112.91,61.29)
Net-(U_J10-Z): length 100.5
  Top w0.2: v1(106.11,47.75) 106.11,48.52 106.56,48.96 106.56,61.96 107.81,63.21 U_J10.5
  Bottom w0.2: U_M12.13 28.05,45.87 29.19,47.02 69.75,47.02 70.39,47.66 72.37,47.66 73.42,46.61 76.28,46.61 77.28,47.6 77.3,47.6 77.36,47.66 93.66,47.66 94.8,48.8 95.85,48.8 97.2,47.45 105.82,47.45 v1(106.11,47.75)
Net-(U_J11-Z): length 89.2
  Top w0.2: v1(107.2,48.5) 107.81,49.11 U_J11.5
  Bottom w0.2: v1(107.2,48.5) 103.04,48.5 102.49,47.95 97.35,47.95 96.04,49.25 94.61,49.25 93.47,48.11 77.15,48.11 76.1,47.06 73.61,47.06 72.56,48.11 70.2,48.11 69.56,47.48 28.51,47.48 U_M12.12
Net-(U_J12-I3b): length 56.3
  Top w0.2: 79.4,57.68 79.4,56.34 79.38,56.31 80.78,54.91 90.3,54.91 91.35,53.86 91.35,33.74 v1(91.05,33.44)
  Bottom w0.2: U_J12.13 110.35,32.71 109.27,33.79 91.39,33.79 v1(91.05,33.44)
Net-(U_J12-Za): length 90.8
  Top w0.2: v1(101.35,49.65) 101.48,49.53 101.48,42.47 102.73,41.21 U_J12.7
  Bottom w0.2: U_M12.5 25.51,50.5 27.16,48.84 69,48.84 69.63,49.48 92.73,49.48 94,50.75 96.55,50.75 97.65,49.65 v1(101.35,49.65)
Net-(U_J12-Zb): length 95.1
  Top w0.2: v1(96.91,51.41) 96.65,51.15 96.65,39.43 96.2,38.98 v1(96.2,31.75)
  Bottom w0.2: v1(96.2,31.75) 96.69,31.26 96.69,31.23 U_J12.9 ; U_M12.4 30.85,49.29 68.81,49.29 69.45,49.93 92.54,49.93 94.02,51.41 v1(96.91,51.41)
Net-(U_K6-Pad10): length 2.5
  Bottom w1.5: 86.5,126.67 U_K6.10
Net-(U_K9-~{Z}): length 11.1
  Bottom w0.2: 105.27,91.83 105.27,93.66 104.87,94.07 97.7,94.07 97.16,93.52 R8.1
Net-(U_K10-Pad12): length 10.2
  Top w1.5: U_K10.3 U_K10.12
  Bottom w1.5: U_K10.12 84.48,57.68
Net-(U_K12-Pad1): length 12.3
  Top w0.2: U_K12.1 87.02,37.54 81.94,32.46 U_K12.12
  Bottom w1.5: 79.4,31.19 U_K12.12
Net-(U_K12-Pad2): length 5.1
  Bottom w1.5: 79.4,38.81 84.48,38.81
Net-(U_L10A-C): length 15.3
  Top w0.2: 53.6,57.72 53.6,61.13 53.6,61.14 56.14,63.68 56.14,65.34 ; U_L10.11 53.61,55.91 56.11,53.41 U_L11.4
Net-(U_L10A-Q): length 46.4
  Top w0.2: 51.06,65.34 51.06,63.43 47.25,59.61 47.25,55.93 47.88,55.3 49.41,55.3 51.03,53.67 U_L11.6
  Bottom w0.2: U_L11.6 51.03,53.67 49.91,54.79 44.43,54.79 42.45,56.77 42.45,59.87 41.68,60.63 41.68,60.68 31.63,60.68 30.62,59.68 U_M10.13
Net-(U_L10A-~{Q}): length 28.9
  Top w0.2: 48.52,65.34 48.52,63.05 47.63,62.15 44.87,62.15 44.2,61.48 44.2,55.81 45.22,54.79 48.39,54.79 49.66,53.52 49.66,49.2 48.5,48.03 U_L11.10
Net-(U_L10A-~{R}): length 13.4
  Top w0.2: 58.68,57.72 58.68,60.89 61.22,63.43 61.22,65.34
  Bottom w1.5: 61.22,65.34 61.22,66.22 62.89,67.89 R9.1
Net-(U_L11-I1a): length 73.6
  Top w0.2: v1(26.8,53.98) 25.42,53.98 24.26,55.14 24.26,59.31 20.47,63.1 U_M10.6 20.47,70.96 ; 20.47,70.96 20.47,72.26 XTAL1.1 ; 20.47,70.96 20.47,79.51 20.04,79.93 R3.1
  Bottom w0.2: v1(26.8,53.98) 27.1,54.28 37.47,54.28 38.23,53.52 38.23,51.49 39.52,50.2 58.06,50.2 58.66,50.8 U_L11.3
Net-(U_L13A-~{Q}): length 103.1
  Top w0.2: v1(47.36,98.91) 47.36,97.46 44.07,94.17 44.07,75.42 42.38,73.74 42.38,54.95 43.75,53.59 43.75,42.41 45.75,40.41 45.75,26.77 46.87,25.66 46.87,24.05 47.12,23.8 50.17,23.8 50.98,24.62 U_L13.7
  Bottom w0.2: U_M8.4 33.15,103.07 34.96,101.25 43.17,101.25 43.47,101.55 45.64,101.55 47.36,99.83 v1(47.36,98.91)
Net-(U_M8-I0a): length 26.7
  Top w0.2: U_M8.2 38.23,103.28 36.96,102.01 36.96,94.92 36.11,94.07 23.91,94.07 23.01,93.16 U_M9.5
Net-(U_M13-Q0): length 73.3
  Top w0.2: U_M13.4 28.05,41.1 26.8,42.34 26.8,47.32 24.26,49.86 24.26,53.62 22.69,55.19 16.89,55.19 16.46,55.63 16.46,59.33 16.16,59.63 16.16,71.72 16.76,72.32 16.76,73.72 16.01,74.48 16.01,93.4 17.4,94.79 22.35,94.79 22.98,95.42 U_M8.13
Net-(U_M13-Q1): length 80.3
  Top w0.2: U_M13.5 25.51,41.2 24.26,42.44 24.26,47.02 21.72,49.56 21.72,53.57 20.55,54.74 16.71,54.74 16.01,55.44 16.01,59.15 15.71,59.44 15.71,71.91 16.31,72.51 16.31,73.53 15.55,74.29 15.55,97.85 16.9,99.2 27.48,99.2 28.06,98.61 U_M8.15
Net-(U_M13-Q4): length 25.5
  Top w0.2: U_M13.9 16.45,31.23 15.85,30.63 15.85,22.55 16.64,21.77 v1(16.89,21.77)
  Bottom w0.2: U_M14.15 28.06,19.74 26.04,21.77 v1(16.89,21.77)
Net-(U_M13-Q6): length 14.3
  Top w0.2: U_M14.13 22.98,21.76 24.26,23.04 24.26,28.37 22.97,29.67 U_M13.11

## Text on the board
F.Silkscreen: TOP
